# Altium PCB smallLCboard.PcbDoc (part 1 of 4) (continued)
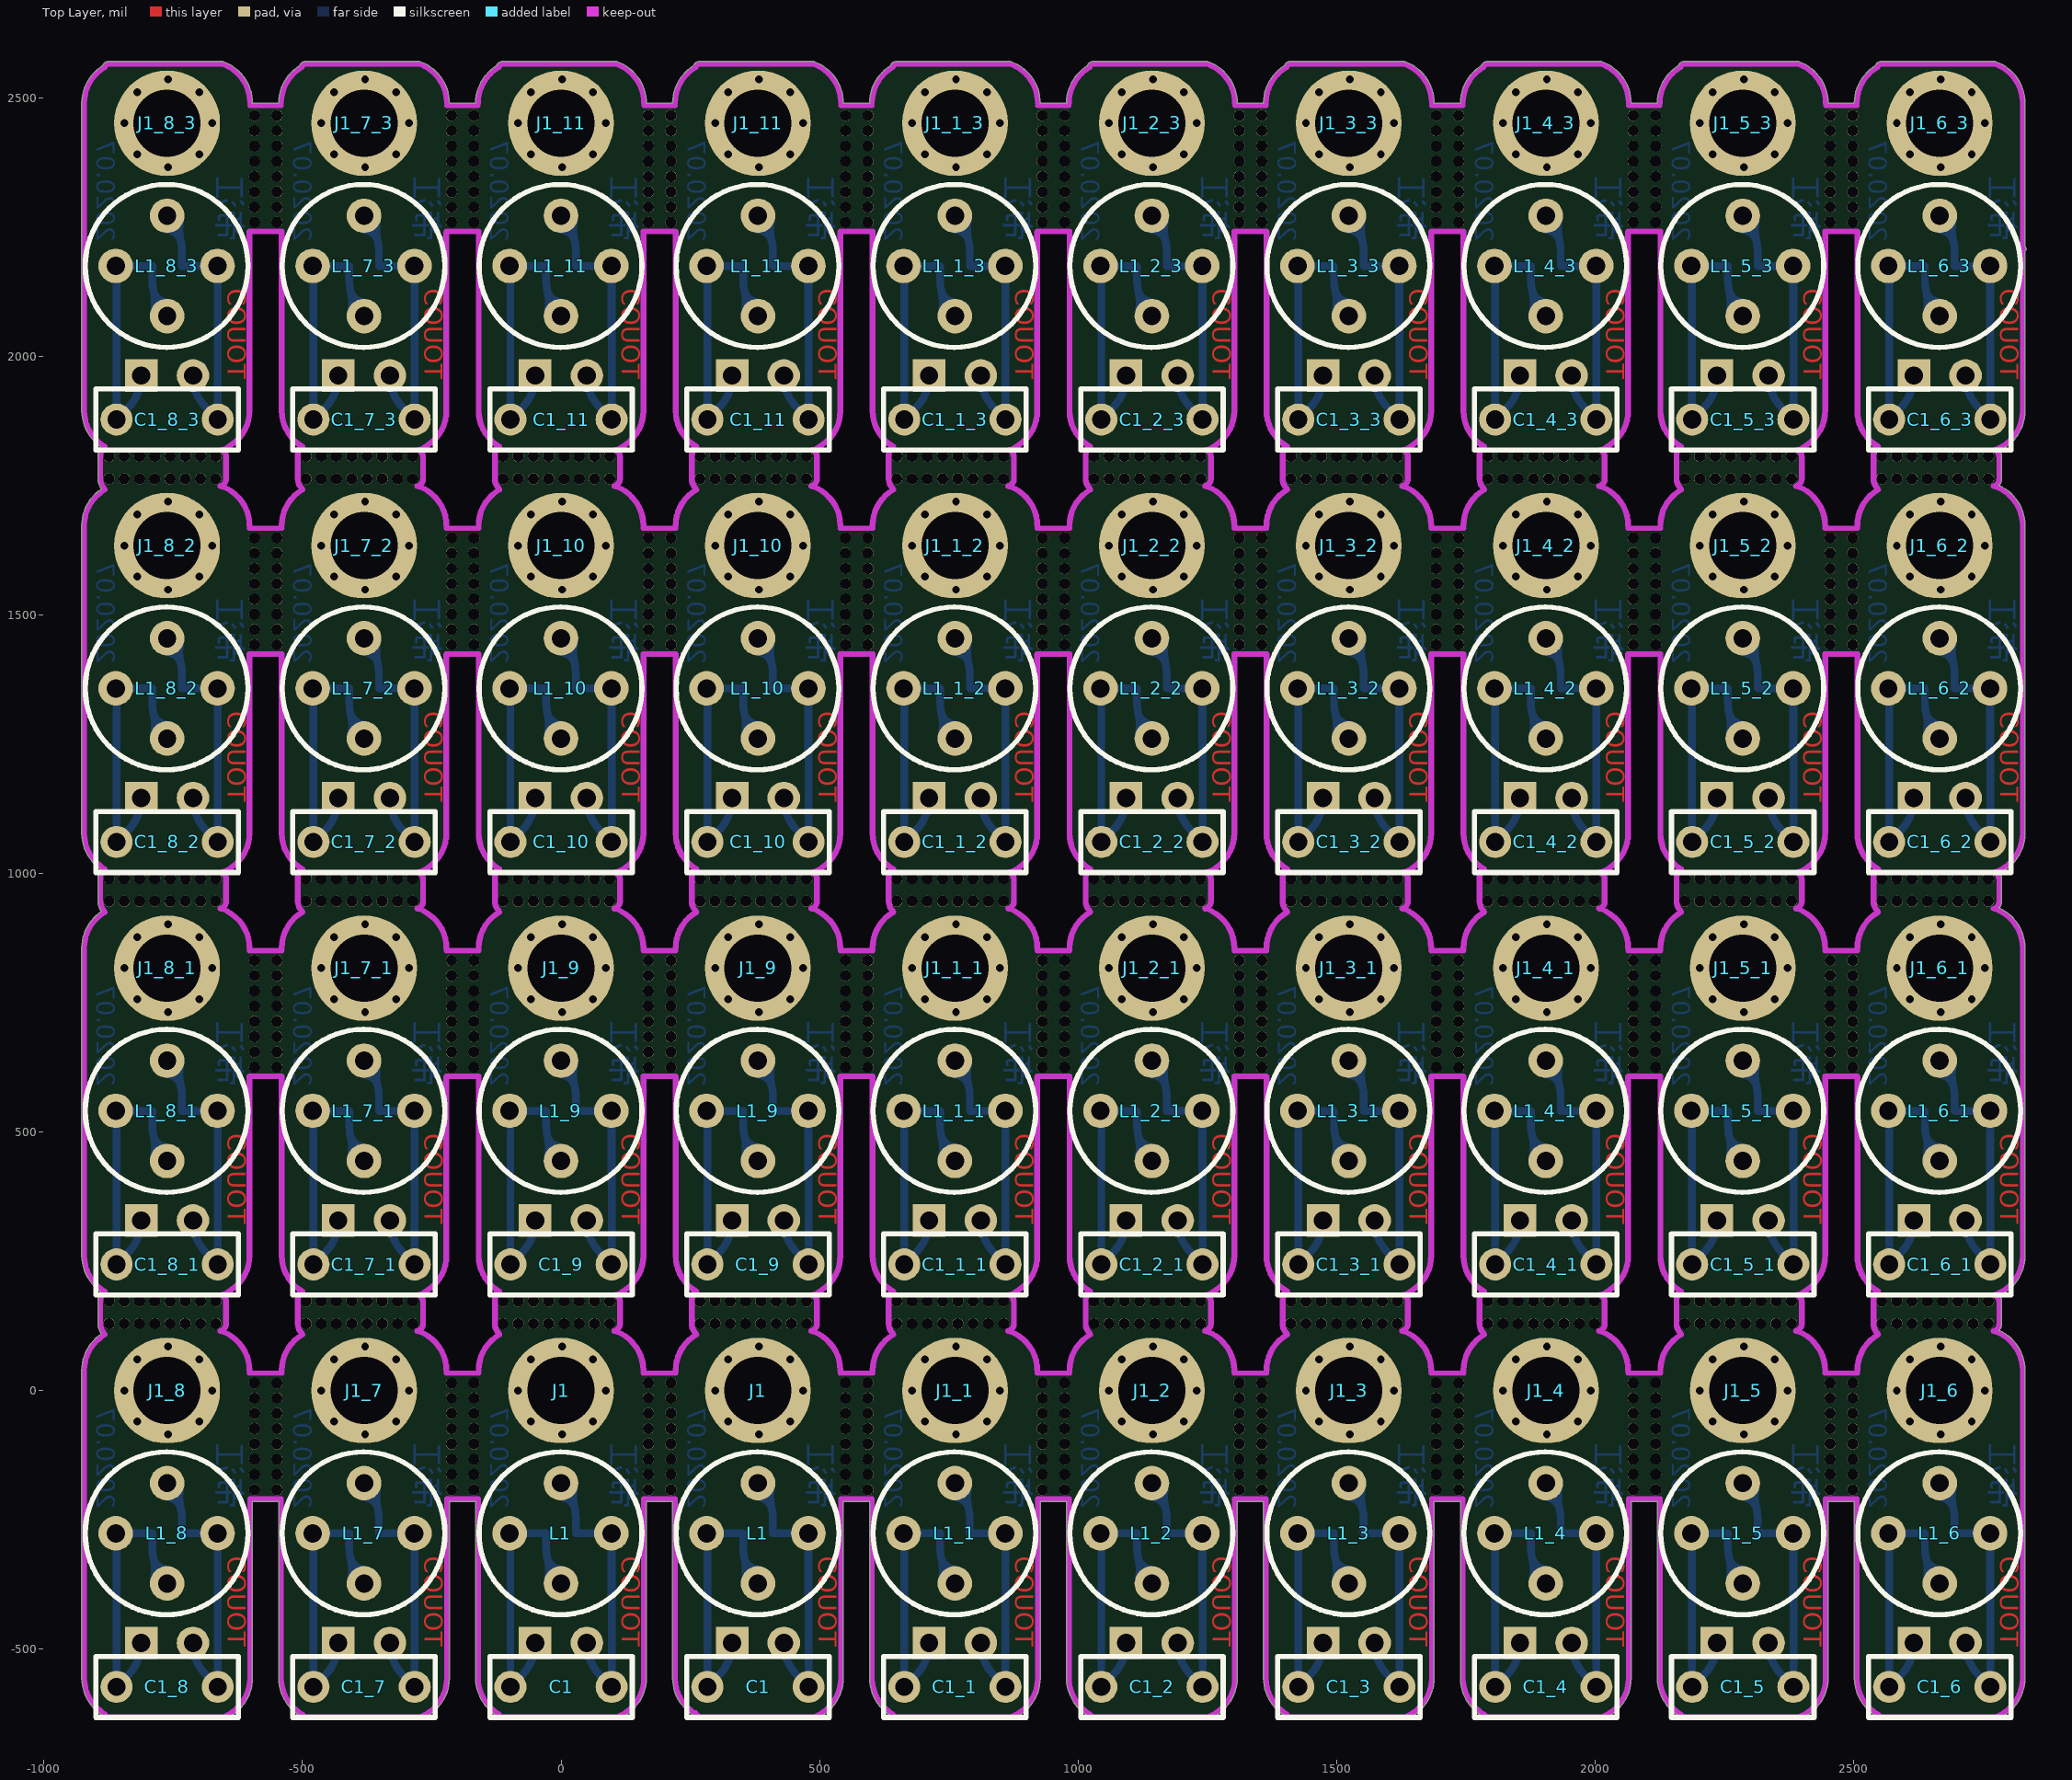
[diagram p0: Top Layer view]
## Board outline (continued)
cut-out: 1627.7,927.09 cw(c1627.7,932.1) 1627.7,937.11 ccw(c1627.7,938.38) 1628.58,937.47 cw(c1632.14,933.94) 1628.59,937.48 cw(c1632.14,933.94) 1628.61,937.5 1628.59,937.48 1631.48,940.37 ccw(c1626.14,945.7) 1631.49,940.38 ccw(c1626.14,945.7) 1633.69,945.7 1633.69,988.1 ccw(c1622.77,988.1) 1630.49,995.82 cw(c1634.03,999.37) 1629.13,998.34 cw(c1631.36,1002.82) 1629.65,1007.54 ccw(c1604,1078) 1678.98,1078 1678.98,1424.5 cw(c1684,1424.5) 1685.05,1429.4 cw(c1686.1,1424.5) 1686.1,1429.52 1743.9,1429.52 cw(c1743.9,1424.5) 1744.45,1429.48 cw(c1745,1424.5) 1750.02,1424.5 1750.02,1078 ccw(c1825,1078) 1787.51,1013.06 cw(c1785,1008.72) 1790.02,1008.72 cw(c1785,1008.72) 1785.12,1003.7 ccw(c1798.15,993.05) 1781.31,993.05 1781.31,945.68 ccw(c1800.88,945.68) 1787.05,931.85 cw(c1783.5,928.3) 1788.48,928.89 cw(c1785,925.28) 1790.02,925.28 cw(c1785,925.28) 1787.51,920.94 ccw(c1825,856) 1750.02,856 cw(c1745,856) 1749.16,853.2 cw(c1744.7,850.9) 1749.72,850.9 cw(c1744.7,850.9) 1744.7,845.89 1684.3,845.89 cw(c1684.3,850.9) 1679.84,853.2 cw(c1684,856) 1678.98,856 ccw(c1604,856) 1629.65,926.46 cw(c1631.36,931.18) 1628.43,927.11 cw(c1627.7,938.38)
cut-out: 1246.7,927.09 cw(c1246.7,932.1) 1246.7,937.11 ccw(c1246.7,938.38) 1247.58,937.47 cw(c1251.14,933.94) 1247.59,937.48 cw(c1251.14,933.94) 1247.61,937.5 1247.59,937.48 1250.48,940.37 ccw(c1245.14,945.7) 1250.49,940.38 ccw(c1245.14,945.7) 1252.69,945.7 1252.69,988.1 ccw(c1241.77,988.1) 1249.49,995.82 cw(c1253.03,999.37) 1248.13,998.34 cw(c1250.36,1002.82) 1248.65,1007.54 ccw(c1223,1078) 1297.98,1078 1297.98,1424.5 cw(c1303,1424.5) 1304.05,1429.4 cw(c1305.1,1424.5) 1305.1,1429.52 1362.9,1429.52 cw(c1362.9,1424.5) 1363.45,1429.48 cw(c1364,1424.5) 1369.02,1424.5 1369.02,1078 ccw(c1444,1078) 1406.51,1013.06 cw(c1404,1008.72) 1409.02,1008.72 cw(c1404,1008.72) 1404.12,1003.7 ccw(c1417.15,993.05) 1400.31,993.05 1400.31,945.68 ccw(c1419.88,945.68) 1406.05,931.85 cw(c1402.5,928.3) 1407.48,928.89 cw(c1404,925.28) 1409.02,925.28 cw(c1404,925.28) 1406.51,920.94 ccw(c1444,856) 1369.02,856 cw(c1364,856) 1368.16,853.2 cw(c1363.7,850.9) 1368.72,850.9 cw(c1363.7,850.9) 1363.7,845.89 1303.3,845.89 cw(c1303.3,850.9) 1298.84,853.2 cw(c1303,856) 1297.98,856 ccw(c1223,856) 1248.65,926.46 cw(c1250.36,931.18) 1247.43,927.11 cw(c1246.7,938.38)
cut-out: 865.7,927.09 cw(c865.7,932.1) 865.7,937.11 ccw(c865.7,938.38) 866.58,937.47 cw(c870.14,933.94) 866.59,937.48 cw(c870.14,933.94) 866.61,937.5 866.59,937.48 869.48,940.37 ccw(c864.14,945.7) 869.49,940.38 ccw(c864.14,945.7) 871.69,945.7 871.69,988.1 ccw(c860.77,988.1) 868.49,995.82 cw(c872.03,999.37) 867.13,998.34 cw(c869.36,1002.82) 867.65,1007.54 ccw(c842,1078) 916.98,1078 916.98,1424.5 cw(c922,1424.5) 923.05,1429.4 cw(c924.1,1424.5) 924.1,1429.52 981.9,1429.52 cw(c981.9,1424.5) 982.45,1429.48 cw(c983,1424.5) 988.02,1424.5 988.02,1078 ccw(c1063,1078) 1025.51,1013.06 cw(c1023,1008.72) 1028.02,1008.72 cw(c1023,1008.72) 1023.12,1003.7 ccw(c1036.15,993.05) 1019.31,993.05 1019.31,945.68 ccw(c1038.88,945.68) 1025.05,931.85 cw(c1021.5,928.3) 1026.48,928.89 cw(c1023,925.28) 1028.02,925.28 cw(c1023,925.28) 1025.51,920.94 ccw(c1063,856) 988.02,856 cw(c983,856) 987.16,853.2 cw(c982.7,850.9) 987.72,850.9 cw(c982.7,850.9) 982.7,845.89 922.3,845.89 cw(c922.3,850.9) 917.84,853.2 cw(c922,856) 916.98,856 ccw(c842,856) 867.65,926.46 cw(c869.36,931.18) 866.43,927.11 cw(c865.7,938.38)
cut-out: 484.7,927.09 cw(c484.7,932.1) 484.7,937.11 ccw(c484.7,938.38) 485.58,937.47 cw(c489.14,933.94) 485.59,937.48 cw(c489.14,933.94) 485.61,937.5 485.59,937.48 488.48,940.37 ccw(c483.14,945.7) 488.49,940.38 ccw(c483.14,945.7) 490.69,945.7 490.69,988.1 ccw(c479.77,988.1) 487.49,995.82 cw(c491.03,999.37) 486.13,998.34 cw(c488.36,1002.82) 486.65,1007.54 ccw(c461,1078) 535.98,1078 535.98,1424.5 cw(c541,1424.5) 542.05,1429.4 cw(c543.1,1424.5) 543.1,1429.52 600.9,1429.52 cw(c600.9,1424.5) 601.45,1429.48 cw(c602,1424.5) 607.02,1424.5 607.02,1078 ccw(c682,1078) 644.51,1013.06 cw(c642,1008.72) 647.02,1008.72 cw(c642,1008.72) 642.12,1003.7 ccw(c655.15,993.05) 638.31,993.05 638.31,945.68 ccw(c657.88,945.68) 644.05,931.85 cw(c640.5,928.3) 645.48,928.89 cw(c642,925.28) 647.02,925.28 cw(c642,925.28) 644.51,920.94 ccw(c682,856) 607.02,856 cw(c602,856) 606.16,853.2 cw(c601.7,850.9) 606.72,850.9 cw(c601.7,850.9) 601.7,845.89 541.3,845.89 cw(c541.3,850.9) 536.84,853.2 cw(c541,856) 535.98,856 ccw(c461,856) 486.65,926.46 cw(c488.36,931.18) 485.43,927.11 cw(c484.7,938.38)
cut-out: 103.7,927.09 cw(c103.7,932.1) 103.7,937.11 ccw(c103.7,938.38) 104.58,937.47 cw(c108.14,933.94) 104.59,937.48 cw(c108.14,933.94) 104.61,937.5 104.59,937.48 107.48,940.37 ccw(c102.14,945.7) 107.49,940.38 ccw(c102.14,945.7) 109.69,945.7 109.69,988.1 ccw(c98.77,988.1) 106.49,995.82 cw(c110.03,999.37) 105.13,998.34 cw(c107.36,1002.82) 105.65,1007.54 ccw(c80,1078) 154.98,1078 154.98,1424.5 cw(c160,1424.5) 161.05,1429.4 cw(c162.1,1424.5) 162.1,1429.52 219.9,1429.52 cw(c219.9,1424.5) 220.45,1429.48 cw(c221,1424.5) 226.02,1424.5 226.02,1078 ccw(c301,1078) 263.51,1013.06 cw(c261,1008.72) 266.02,1008.72 cw(c261,1008.72) 261.12,1003.7 ccw(c274.15,993.05) 257.31,993.05 257.31,945.68 ccw(c276.88,945.68) 263.05,931.85 cw(c259.5,928.3) 264.48,928.89 cw(c261,925.28) 266.02,925.28 cw(c261,925.28) 263.51,920.94 ccw(c301,856) 226.02,856 cw(c221,856) 225.16,853.2 cw(c220.7,850.9) 225.72,850.9 cw(c220.7,850.9) 220.7,845.89 160.3,845.89 cw(c160.3,850.9) 155.84,853.2 cw(c160,856) 154.98,856 ccw(c80,856) 105.65,926.46 cw(c107.36,931.18) 104.43,927.11 cw(c103.7,938.38)
cut-out: -277.3,927.09 cw(c-277.3,932.1) -277.3,937.11 ccw(c-277.3,938.38) -276.42,937.47 cw(c-272.86,933.94) -276.41,937.48 cw(c-272.86,933.94) -276.39,937.5 -276.41,937.48 -273.52,940.37 ccw(c-278.86,945.7) -273.51,940.38 ccw(c-278.86,945.7) -271.32,945.7 -271.32,988.1 ccw(c-282.23,988.1) -274.51,995.82 cw(c-270.97,999.37) -275.87,998.34 cw(c-273.64,1002.82) -275.35,1007.54 ccw(c-301,1078) -226.01,1078 -226.01,1424.5 cw(c-221,1424.5) -219.95,1429.4 cw(c-218.9,1424.5) -218.9,1429.52 -161.1,1429.52 cw(c-161.1,1424.5) -160.55,1429.48 cw(c-160,1424.5) -154.99,1424.5 -154.99,1078 ccw(c-80,1078) -117.49,1013.06 cw(c-120,1008.72) -114.99,1008.72 cw(c-120,1008.72) -119.88,1003.7 ccw(c-106.85,993.05) -123.68,993.05 -123.68,945.68 ccw(c-104.12,945.68) -117.95,931.85 cw(c-121.5,928.3) -116.52,928.89 cw(c-120,925.28) -114.99,925.28 cw(c-120,925.28) -117.49,920.94 ccw(c-80,856) -154.99,856 cw(c-160,856) -155.84,853.2 cw(c-160.3,850.9) -155.28,850.9 cw(c-160.3,850.9) -160.3,845.89 -220.7,845.89 cw(c-220.7,850.9) -225.16,853.2 cw(c-221,856) -226.01,856 ccw(c-301,856) -275.35,926.46 cw(c-273.64,931.18) -276.57,927.11 cw(c-277.3,938.38)
cut-out: -658.3,927.09 cw(c-658.3,932.1) -658.3,937.11 ccw(c-658.3,938.38) -657.42,937.47 ccw(c-658.3,938.38) -657.41,937.48 cw(c-653.86,933.94) -657.39,937.5 -657.41,937.48 -654.52,940.37 ccw(c-659.86,945.7) -654.51,940.38 ccw(c-659.86,945.7) -652.32,945.7 -652.32,988.1 ccw(c-663.23,988.1) -655.51,995.82 cw(c-651.97,999.37) -656.87,998.34 cw(c-654.64,1002.82) -656.35,1007.54 ccw(c-682,1078) -607.01,1078 -607.01,1424.5 cw(c-602,1424.5) -600.95,1429.4 cw(c-599.9,1424.5) -599.9,1429.52 -542.1,1429.52 cw(c-542.1,1424.5) -541.55,1429.48 cw(c-541,1424.5) -535.99,1424.5 -535.99,1078 ccw(c-461,1078) -498.49,1013.06 cw(c-501,1008.72) -495.99,1008.72 cw(c-501,1008.72) -500.88,1003.7 ccw(c-487.85,993.05) -504.68,993.05 -504.68,945.68 ccw(c-485.12,945.68) -498.95,931.85 cw(c-502.5,928.3) -497.52,928.89 cw(c-501,925.28) -495.99,925.28 cw(c-501,925.28) -498.49,920.94 ccw(c-461,856) -535.99,856 cw(c-541,856) -536.84,853.2 cw(c-541.3,850.9) -536.28,850.9 cw(c-541.3,850.9) -541.3,845.89 -601.7,845.89 cw(c-601.7,850.9) -606.16,853.2 cw(c-602,856) -607.01,856 ccw(c-682,856) -656.35,926.46 cw(c-654.64,931.18) -657.57,927.11 cw(c-658.3,938.38)
cut-out: 2389.7,1744.09 cw(c2389.7,1749.1) 2389.7,1754.11 ccw(c2389.7,1755.38) 2390.58,1754.47 cw(c2394.14,1750.94) 2390.59,1754.48 cw(c2394.14,1750.94) 2390.61,1754.5 2390.59,1754.48 2393.48,1757.37 ccw(c2388.14,1762.7) 2393.49,1757.38 ccw(c2388.14,1762.7) 2395.69,1762.7 2395.69,1805.1 ccw(c2384.77,1805.1) 2392.49,1812.82 cw(c2396.03,1816.37) 2391.13,1815.34 cw(c2393.36,1819.82) 2391.65,1824.54 ccw(c2366,1895) 2440.98,1895 2440.98,2241.5 cw(c2446,2241.5) 2447.05,2246.4 cw(c2448.1,2241.5) 2448.1,2246.52 2505.9,2246.52 cw(c2505.9,2241.5) 2506.45,2246.48 cw(c2507,2241.5) 2512.02,2241.5 2512.02,1895 ccw(c2587,1895) 2549.51,1830.06 cw(c2547,1825.72) 2552.02,1825.72 cw(c2547,1825.72) 2547.12,1820.7 ccw(c2560.15,1810.05) 2543.31,1810.05 2543.31,1762.68 ccw(c2562.88,1762.68) 2549.05,1748.85 cw(c2545.5,1745.3) 2550.48,1745.89 cw(c2547,1742.28) 2552.02,1742.28 cw(c2547,1742.28) 2549.51,1737.94 ccw(c2587,1673) 2512.02,1673 cw(c2507,1673) 2511.16,1670.2 cw(c2506.7,1667.9) 2511.72,1667.9 cw(c2506.7,1667.9) 2506.7,1662.89 2446.3,1662.89 cw(c2446.3,1667.9) 2441.84,1670.2 cw(c2446,1673) 2440.98,1673 ccw(c2366,1673) 2391.65,1743.46 cw(c2393.36,1748.18) 2390.43,1744.11 cw(c2389.7,1755.38)
cut-out: 2008.7,1744.09 cw(c2008.7,1749.1) 2008.7,1754.11 ccw(c2008.7,1755.38) 2009.58,1754.47 ccw(c2008.7,1755.38) 2009.59,1754.48 cw(c2013.14,1750.94) 2009.61,1754.5 2009.59,1754.48 2012.48,1757.37 ccw(c2007.14,1762.7) 2012.49,1757.38 ccw(c2007.14,1762.7) 2014.69,1762.7 2014.69,1805.1 ccw(c2003.77,1805.1) 2011.49,1812.82 cw(c2015.03,1816.37) 2010.13,1815.34 cw(c2012.36,1819.82) 2010.65,1824.54 ccw(c1985,1895) 2059.98,1895 2059.98,2241.5 cw(c2065,2241.5) 2066.05,2246.4 cw(c2067.1,2241.5) 2067.1,2246.52 2124.9,2246.52 cw(c2124.9,2241.5) 2125.45,2246.48 cw(c2126,2241.5) 2131.02,2241.5 2131.02,1895 ccw(c2206,1895) 2168.51,1830.06 cw(c2166,1825.72) 2171.02,1825.72 cw(c2166,1825.72) 2166.12,1820.7 ccw(c2179.15,1810.05) 2162.31,1810.05 2162.31,1762.68 ccw(c2181.88,1762.68) 2168.05,1748.85 cw(c2164.5,1745.3) 2169.48,1745.89 cw(c2166,1742.28) 2171.02,1742.28 cw(c2166,1742.28) 2168.51,1737.94 ccw(c2206,1673) 2131.02,1673 cw(c2126,1673) 2130.16,1670.2 cw(c2125.7,1667.9) 2130.72,1667.9 cw(c2125.7,1667.9) 2125.7,1662.89 2065.3,1662.89 cw(c2065.3,1667.9) 2060.84,1670.2 cw(c2065,1673) 2059.98,1673 ccw(c1985,1673) 2010.65,1743.46 cw(c2012.36,1748.18) 2009.43,1744.11 cw(c2008.7,1755.38)
cut-out: 1627.7,1744.09 cw(c1627.7,1749.1) 1627.7,1754.11 ccw(c1627.7,1755.38) 1628.58,1754.47 cw(c1632.14,1750.94) 1628.59,1754.48 cw(c1632.14,1750.94) 1628.61,1754.5 1628.59,1754.48 1631.48,1757.37 ccw(c1626.14,1762.7) 1631.49,1757.38 ccw(c1626.14,1762.7) 1633.69,1762.7 1633.69,1805.1 ccw(c1622.77,1805.1) 1630.49,1812.82 cw(c1634.03,1816.37) 1629.13,1815.34 cw(c1631.36,1819.82) 1629.65,1824.54 ccw(c1604,1895) 1678.98,1895 1678.98,2241.5 cw(c1684,2241.5) 1685.05,2246.4 cw(c1686.1,2241.5) 1686.1,2246.52 1743.9,2246.52 cw(c1743.9,2241.5) 1744.45,2246.48 cw(c1745,2241.5) 1750.02,2241.5 1750.02,1895 ccw(c1825,1895) 1787.51,1830.06 cw(c1785,1825.72) 1790.02,1825.72 cw(c1785,1825.72) 1785.12,1820.7 ccw(c1798.15,1810.05) 1781.31,1810.05 1781.31,1762.68 ccw(c1800.88,1762.68) 1787.05,1748.85 cw(c1783.5,1745.3) 1788.48,1745.89 cw(c1785,1742.28) 1790.02,1742.28 cw(c1785,1742.28) 1787.51,1737.94 ccw(c1825,1673) 1750.02,1673 cw(c1745,1673) 1749.16,1670.2 cw(c1744.7,1667.9) 1749.72,1667.9 cw(c1744.7,1667.9) 1744.7,1662.89 1684.3,1662.89 cw(c1684.3,1667.9) 1679.84,1670.2 cw(c1684,1673) 1678.98,1673 ccw(c1604,1673) 1629.65,1743.46 cw(c1631.36,1748.18) 1628.43,1744.11 cw(c1627.7,1755.38)
cut-out: 1246.7,1744.09 cw(c1246.7,1749.1) 1246.7,1754.11 ccw(c1246.7,1755.38) 1247.58,1754.47 cw(c1251.14,1750.94) 1247.59,1754.48 cw(c1251.14,1750.94) 1247.61,1754.5 1247.59,1754.48 1250.48,1757.37 ccw(c1245.14,1762.7) 1250.49,1757.38 ccw(c1245.14,1762.7) 1252.69,1762.7 1252.69,1805.1 ccw(c1241.77,1805.1) 1249.49,1812.82 cw(c1253.03,1816.37) 1248.13,1815.34 cw(c1250.36,1819.82) 1248.65,1824.54 ccw(c1223,1895) 1297.98,1895 1297.98,2241.5 cw(c1303,2241.5) 1304.05,2246.4 cw(c1305.1,2241.5) 1305.1,2246.52 1362.9,2246.52 cw(c1362.9,2241.5) 1363.45,2246.48 cw(c1364,2241.5) 1369.02,2241.5 1369.02,1895 ccw(c1444,1895) 1406.51,1830.06 cw(c1404,1825.72) 1409.02,1825.72 cw(c1404,1825.72) 1404.12,1820.7 ccw(c1417.15,1810.05) 1400.31,1810.05 1400.31,1762.68 ccw(c1419.88,1762.68) 1406.05,1748.85 cw(c1402.5,1745.3) 1407.48,1745.89 cw(c1404,1742.28) 1409.02,1742.28 cw(c1404,1742.28) 1406.51,1737.94 ccw(c1444,1673) 1369.02,1673 cw(c1364,1673) 1368.16,1670.2 cw(c1363.7,1667.9) 1368.72,1667.9 cw(c1363.7,1667.9) 1363.7,1662.89 1303.3,1662.89 cw(c1303.3,1667.9) 1298.84,1670.2 cw(c1303,1673) 1297.98,1673 ccw(c1223,1673) 1248.65,1743.46 cw(c1250.36,1748.18) 1247.43,1744.11 cw(c1246.7,1755.38)
cut-out: 1303.3,1667.9
cut-out: 1303.3,1667.9
cut-out: 1303.3,1667.9
cut-out: 865.7,1744.09 cw(c865.7,1749.1) 865.7,1754.11 ccw(c865.7,1755.38) 866.58,1754.47 cw(c870.14,1750.94) 866.59,1754.48 cw(c870.14,1750.94) 866.61,1754.5 866.59,1754.48 869.48,1757.37 ccw(c864.14,1762.7) 869.49,1757.38 ccw(c864.14,1762.7) 871.69,1762.7 871.69,1805.1 ccw(c860.77,1805.1) 868.49,1812.82 cw(c872.03,1816.37) 867.13,1815.34 cw(c869.36,1819.82) 867.65,1824.54 ccw(c842,1895) 916.98,1895 916.98,2241.5 cw(c922,2241.5) 923.05,2246.4 cw(c924.1,2241.5) 924.1,2246.52 981.9,2246.52 cw(c981.9,2241.5) 982.45,2246.48 cw(c983,2241.5) 988.02,2241.5 988.02,1895 ccw(c1063,1895) 1025.51,1830.06 cw(c1023,1825.72) 1028.02,1825.72 cw(c1023,1825.72) 1023.12,1820.7 ccw(c1036.15,1810.05) 1019.31,1810.05 1019.31,1762.68 ccw(c1038.88,1762.68) 1025.05,1748.85 cw(c1021.5,1745.3) 1026.48,1745.89 cw(c1023,1742.28) 1028.02,1742.28 cw(c1023,1742.28) 1025.51,1737.94 ccw(c1063,1673) 988.02,1673 cw(c983,1673) 987.16,1670.2 cw(c982.7,1667.9) 987.72,1667.9 cw(c982.7,1667.9) 982.7,1662.89 922.3,1662.89 cw(c922.3,1667.9) 917.84,1670.2 cw(c922,1673) 916.98,1673 ccw(c842,1673) 867.65,1743.46 cw(c869.36,1748.18) 866.43,1744.11 cw(c865.7,1755.38)
cut-out: 484.7,1744.09 cw(c484.7,1749.1) 484.7,1754.11 ccw(c484.7,1755.38) 485.58,1754.47 ccw(c484.7,1755.38) 485.59,1754.48 cw(c489.14,1750.94) 485.61,1754.5 485.59,1754.48 488.48,1757.37 ccw(c483.14,1762.7) 488.49,1757.38 ccw(c483.14,1762.7) 490.69,1762.7 490.69,1805.1 ccw(c479.77,1805.1) 487.49,1812.82 cw(c491.03,1816.37) 486.13,1815.34 cw(c488.36,1819.82) 486.65,1824.54 ccw(c461,1895) 535.98,1895 535.98,2241.5 cw(c541,2241.5) 542.05,2246.4 cw(c543.1,2241.5) 543.1,2246.52 600.9,2246.52 cw(c600.9,2241.5) 601.45,2246.48 cw(c602,2241.5) 607.02,2241.5 607.02,1895 ccw(c682,1895) 644.51,1830.06 cw(c642,1825.72) 647.02,1825.72 cw(c642,1825.72) 642.12,1820.7 ccw(c655.15,1810.05) 638.31,1810.05 638.31,1762.68 ccw(c657.88,1762.68) 644.05,1748.85 cw(c640.5,1745.3) 645.48,1745.89 cw(c642,1742.28) 647.02,1742.28 cw(c642,1742.28) 644.51,1737.94 ccw(c682,1673) 607.02,1673 cw(c602,1673) 606.16,1670.2 cw(c601.7,1667.9) 606.72,1667.9 cw(c601.7,1667.9) 601.7,1662.89 541.3,1662.89 cw(c541.3,1667.9) 536.84,1670.2 cw(c541,1673) 535.98,1673 ccw(c461,1673) 486.65,1743.46 cw(c488.36,1748.18) 485.43,1744.11 cw(c484.7,1755.38)
cut-out: 103.7,1744.09 cw(c103.7,1749.1) 103.7,1754.11 ccw(c103.7,1755.38) 104.58,1754.47 cw(c108.14,1750.94) 104.59,1754.48 cw(c108.14,1750.94) 104.61,1754.5 104.59,1754.48 107.48,1757.37 ccw(c102.14,1762.7) 107.49,1757.38 ccw(c102.14,1762.7) 109.69,1762.7 109.69,1805.1 ccw(c98.77,1805.1) 106.49,1812.82 cw(c110.03,1816.37) 105.13,1815.34 cw(c107.36,1819.82) 105.65,1824.54 ccw(c80,1895) 154.98,1895 154.98,2241.5 cw(c160,2241.5) 161.05,2246.4 cw(c162.1,2241.5) 162.1,2246.52 219.9,2246.52 cw(c219.9,2241.5) 220.45,2246.48 cw(c221,2241.5) 226.02,2241.5 226.02,1895 ccw(c301,1895) 263.51,1830.06 cw(c261,1825.72) 266.02,1825.72 cw(c261,1825.72) 261.12,1820.7 ccw(c274.15,1810.05) 257.31,1810.05 257.31,1762.68 ccw(c276.88,1762.68) 263.05,1748.85 cw(c259.5,1745.3) 264.48,1745.89 cw(c261,1742.28) 266.02,1742.28 cw(c261,1742.28) 263.51,1737.94 ccw(c301,1673) 226.02,1673 cw(c221,1673) 225.16,1670.2 cw(c220.7,1667.9) 225.72,1667.9 cw(c220.7,1667.9) 220.7,1662.89 160.3,1662.89 cw(c160.3,1667.9) 155.84,1670.2 cw(c160,1673) 154.98,1673 ccw(c80,1673) 105.65,1743.46 cw(c107.36,1748.18) 104.43,1744.11 cw(c103.7,1755.38)
cut-out: -277.3,1744.09 cw(c-277.3,1749.1) -277.3,1754.11 ccw(c-277.3,1755.38) -276.42,1754.47 cw(c-272.86,1750.94) -276.41,1754.48 cw(c-272.86,1750.94) -276.39,1754.5 -276.41,1754.48 -273.52,1757.37 ccw(c-278.86,1762.7) -273.51,1757.38 ccw(c-278.86,1762.7) -271.32,1762.7 -271.32,1805.1 ccw(c-282.23,1805.1) -274.51,1812.82 cw(c-270.97,1816.37) -275.87,1815.34 cw(c-273.64,1819.82) -275.35,1824.54 ccw(c-301,1895) -226.01,1895 -226.01,2241.5 cw(c-221,2241.5) -219.95,2246.4 cw(c-218.9,2241.5) -218.9,2246.52 -161.1,2246.52 cw(c-161.1,2241.5) -160.55,2246.48 cw(c-160,2241.5) -154.99,2241.5 -154.99,1895 ccw(c-80,1895) -117.49,1830.06 cw(c-120,1825.72) -114.99,1825.72 cw(c-120,1825.72) -119.88,1820.7 ccw(c-106.85,1810.05) -123.68,1810.05 -123.68,1762.68 ccw(c-104.12,1762.68) -117.95,1748.85 cw(c-121.5,1745.3) -116.52,1745.89 cw(c-120,1742.28) -114.99,1742.28 cw(c-120,1742.28) -117.49,1737.94 ccw(c-80,1673) -154.99,1673 cw(c-160,1673) -155.84,1670.2 cw(c-160.3,1667.9) -155.28,1667.9 cw(c-160.3,1667.9) -160.3,1662.89 -220.7,1662.89 cw(c-220.7,1667.9) -225.16,1670.2 cw(c-221,1673) -226.01,1673 ccw(c-301,1673) -275.35,1743.46 cw(c-273.64,1748.18) -276.57,1744.11 cw(c-277.3,1755.38)
cut-out: -658.3,1744.09 cw(c-658.3,1749.1) -658.3,1754.11 ccw(c-658.3,1755.38) -657.42,1754.47 cw(c-653.86,1750.94) -657.41,1754.48 cw(c-653.86,1750.94) -657.39,1754.5 -657.41,1754.48 -654.52,1757.37 ccw(c-659.86,1762.7) -654.51,1757.38 ccw(c-659.86,1762.7) -652.32,1762.7 -652.32,1805.1 ccw(c-663.23,1805.1) -655.51,1812.82 cw(c-651.97,1816.37) -656.87,1815.34 cw(c-654.64,1819.82) -656.35,1824.54 ccw(c-682,1895) -607.01,1895 -607.01,2241.5 cw(c-602,2241.5) -600.95,2246.4 cw(c-599.9,2241.5) -599.9,2246.52 -542.1,2246.52 cw(c-542.1,2241.5) -541.55,2246.48 cw(c-541,2241.5) -535.99,2241.5 -535.99,1895 ccw(c-461,1895) -498.49,1830.06 cw(c-501,1825.72) -495.99,1825.72 cw(c-501,1825.72) -500.88,1820.7 ccw(c-487.85,1810.05) -504.68,1810.05 -504.68,1762.68 ccw(c-485.12,1762.68) -498.95,1748.85 cw(c-502.5,1745.3) -497.52,1745.89 cw(c-501,1742.28) -495.99,1742.28 cw(c-501,1742.28) -498.49,1737.94 ccw(c-461,1673) -535.99,1673 cw(c-541,1673) -536.84,1670.2 cw(c-541.3,1667.9) -536.28,1667.9 cw(c-541.3,1667.9) -541.3,1662.89 -601.7,1662.89 cw(c-601.7,1667.9) -606.16,1670.2 cw(c-602,1673) -607.01,1673 ccw(c-682,1673) -656.35,1743.46 cw(c-654.64,1748.18) -657.57,1744.11 cw(c-658.3,1755.38)

## Design rules (kind name [scope] priority, off if disabled: settings)
Clearance [All] p1: gap=10
PolygonConnect [All] p1: connectstyle=Relief reliefconductorwidth=10 reliefentries=4 polygonreliefangle="90 Angle" airgapwidth=10
RoutingVias [All] p1: holewidth=28 width=50 viastyle="Through Hole" minholewidth=28 minwidth=50 maxholewidth=28 maxwidth=50
SolderMaskExpansion [All] p1: expansion=4
Width [All] p1: maxlimit=100 minlimit=10 preferedwidth=15
30 further rules are at their usual default settings.

## Components (designator, comment, footprint, x,y, rotation, side; value= is the part's Value field where it differs from the comment)
C1 "6.8nF" CAP3 381,-573 r0 top
C1 "6.8nF" CAP3 0,-573 r0 top
C1_1 "6.8nF" CAP3 762,-573 r0 top (schematic designator C1)
C1_1_1 "6.8nF" CAP3 762,244 r0 top (schematic designator C1)
C1_1_2 "6.8nF" CAP3 762,1061 r0 top (schematic designator C1)
C1_1_3 "6.8nF" CAP3 762,1878 r0 top (schematic designator C1)
C1_2 "6.8nF" CAP3 1143,-573 r0 top (schematic designator C1)
C1_2_1 "6.8nF" CAP3 1143,244 r0 top (schematic designator C1)
C1_2_2 "6.8nF" CAP3 1143,1061 r0 top (schematic designator C1)
C1_2_3 "6.8nF" CAP3 1143,1878 r0 top (schematic designator C1)
C1_3 "6.8nF" CAP3 1524,-573 r0 top (schematic designator C1)
C1_3_1 "6.8nF" CAP3 1524,244 r0 top (schematic designator C1)
C1_3_2 "6.8nF" CAP3 1524,1061 r0 top (schematic designator C1)
C1_3_3 "6.8nF" CAP3 1524,1878 r0 top (schematic designator C1)
C1_4 "6.8nF" CAP3 1905,-573 r0 top (schematic designator C1)
C1_4_1 "6.8nF" CAP3 1905,244 r0 top (schematic designator C1)
C1_4_2 "6.8nF" CAP3 1905,1061 r0 top (schematic designator C1)
C1_4_3 "6.8nF" CAP3 1905,1878 r0 top (schematic designator C1)
C1_5 "6.8nF" CAP3 2286,-573 r0 top (schematic designator C1)
C1_5_1 "6.8nF" CAP3 2286,244 r0 top (schematic designator C1)
C1_5_2 "6.8nF" CAP3 2286,1061 r0 top (schematic designator C1)
C1_5_3 "6.8nF" CAP3 2286,1878 r0 top (schematic designator C1)
C1_6 "6.8nF" CAP3 2667,-573 r0 top (schematic designator C1)
C1_6_1 "6.8nF" CAP3 2667,244 r0 top (schematic designator C1)
C1_6_2 "6.8nF" CAP3 2667,1061 r0 top (schematic designator C1)
C1_6_3 "6.8nF" CAP3 2667,1878 r0 top (schematic designator C1)
C1_7 "6.8nF" CAP3 -381,-573 r0 top (schematic designator C1)
C1_7_1 "6.8nF" CAP3 -381,244 r0 top (schematic designator C1)
C1_7_2 "6.8nF" CAP3 -381,1061 r0 top (schematic designator C1)
C1_7_3 "6.8nF" CAP3 -381,1878 r0 top (schematic designator C1)
C1_8 "6.8nF" CAP3 -762,-573 r0 top (schematic designator C1)
C1_8_1 "6.8nF" CAP3 -762,244 r0 top (schematic designator C1)
C1_8_2 "6.8nF" CAP3 -762,1061 r0 top (schematic designator C1)
C1_8_3 "6.8nF" CAP3 -762,1878 r0 top (schematic designator C1)
C1_9 "6.8nF" CAP3 0,244 r0 top (schematic designator C1)
C1_9 "6.8nF" CAP3 381,244 r0 top (schematic designator C1)
C1_10 "6.8nF" CAP3 0,1061 r0 top (schematic designator C1)
C1_10 "6.8nF" CAP3 381,1061 r0 top (schematic designator C1)
C1_11 "6.8nF" CAP3 0,1878 r0 top (schematic designator C1)
C1_11 "6.8nF" CAP3 381,1878 r0 top (schematic designator C1)
C2 "6.8nF" CAP_0603 381,-276 r0 bottom
C2 "6.8nF" CAP_0603 0,-276 r0 bottom
C2_1 "6.8nF" CAP_0603 762,-276 r0 bottom (schematic designator C2)
C2_1_1 "6.8nF" CAP_0603 762,541 r0 bottom (schematic designator C2)
C2_1_2 "6.8nF" CAP_0603 762,1358 r0 bottom (schematic designator C2)
C2_1_3 "6.8nF" CAP_0603 762,2175 r0 bottom (schematic designator C2)
C2_2 "6.8nF" CAP_0603 1143,-276 r0 bottom (schematic designator C2)
C2_2_1 "6.8nF" CAP_0603 1143,541 r0 bottom (schematic designator C2)
C2_2_2 "6.8nF" CAP_0603 1143,1358 r0 bottom (schematic designator C2)
C2_2_3 "6.8nF" CAP_0603 1143,2175 r0 bottom (schematic designator C2)
C2_3 "6.8nF" CAP_0603 1524,-276 r0 bottom (schematic designator C2)
C2_3_1 "6.8nF" CAP_0603 1524,541 r0 bottom (schematic designator C2)
C2_3_2 "6.8nF" CAP_0603 1524,1358 r0 bottom (schematic designator C2)
C2_3_3 "6.8nF" CAP_0603 1524,2175 r0 bottom (schematic designator C2)
C2_4 "6.8nF" CAP_0603 1905,-276 r0 bottom (schematic designator C2)
C2_4_1 "6.8nF" CAP_0603 1905,541 r0 bottom (schematic designator C2)
C2_4_2 "6.8nF" CAP_0603 1905,1358 r0 bottom (schematic designator C2)
C2_4_3 "6.8nF" CAP_0603 1905,2175 r0 bottom (schematic designator C2)
C2_5 "6.8nF" CAP_0603 2286,-276 r0 bottom (schematic designator C2)
C2_5_1 "6.8nF" CAP_0603 2286,541 r0 bottom (schematic designator C2)
C2_5_2 "6.8nF" CAP_0603 2286,1358 r0 bottom (schematic designator C2)
C2_5_3 "6.8nF" CAP_0603 2286,2175 r0 bottom (schematic designator C2)
C2_6 "6.8nF" CAP_0603 2667,-276 r0 bottom (schematic designator C2)
C2_6_1 "6.8nF" CAP_0603 2667,541 r0 bottom (schematic designator C2)
C2_6_2 "6.8nF" CAP_0603 2667,1358 r0 bottom (schematic designator C2)
C2_6_3 "6.8nF" CAP_0603 2667,2175 r0 bottom (schematic designator C2)
C2_7 "6.8nF" CAP_0603 -381,-276 r0 bottom (schematic designator C2)
C2_7_1 "6.8nF" CAP_0603 -381,541 r0 bottom (schematic designator C2)
C2_7_2 "6.8nF" CAP_0603 -381,1358 r0 bottom (schematic designator C2)
C2_7_3 "6.8nF" CAP_0603 -381,2175 r0 bottom (schematic designator C2)
C2_8 "6.8nF" CAP_0603 -762,-276 r0 bottom (schematic designator C2)
C2_8_1 "6.8nF" CAP_0603 -762,541 r0 bottom (schematic designator C2)
C2_8_2 "6.8nF" CAP_0603 -762,1358 r0 bottom (schematic designator C2)
C2_8_3 "6.8nF" CAP_0603 -762,2175 r0 bottom (schematic designator C2)
C2_9 "6.8nF" CAP_0603 0,541 r0 bottom (schematic designator C2)
C2_9 "6.8nF" CAP_0603 381,541 r0 bottom (schematic designator C2)
C2_10 "6.8nF" CAP_0603 0,1358 r0 bottom (schematic designator C2)
C2_10 "6.8nF" CAP_0603 381,1358 r0 bottom (schematic designator C2)
C2_11 "6.8nF" CAP_0603 0,2175 r0 bottom (schematic designator C2)
C2_11 "6.8nF" CAP_0603 381,2175 r0 bottom (schematic designator C2)
J1 "JET" M_KONG_springChange 383,0 r0 top
J1 "JET" M_KONG_springChange 2,0 r0 top
J1_1 "JET" M_KONG_springChange 764,0 r0 top (schematic designator J1)
J1_1_1 "JET" M_KONG_springChange 764,817 r0 top (schematic designator J1)
J1_1_2 "JET" M_KONG_springChange 764,1634 r0 top (schematic designator J1)
J1_1_3 "JET" M_KONG_springChange 764,2451 r0 top (schematic designator J1)
J1_2 "JET" M_KONG_springChange 1145,0 r0 top (schematic designator J1)
J1_2_1 "JET" M_KONG_springChange 1145,817 r0 top (schematic designator J1)
J1_2_2 "JET" M_KONG_springChange 1145,1634 r0 top (schematic designator J1)
J1_2_3 "JET" M_KONG_springChange 1145,2451 r0 top (schematic designator J1)
J1_3 "JET" M_KONG_springChange 1526,0 r0 top (schematic designator J1)
J1_3_1 "JET" M_KONG_springChange 1526,817 r0 top (schematic designator J1)
J1_3_2 "JET" M_KONG_springChange 1526,1634 r0 top (schematic designator J1)
J1_3_3 "JET" M_KONG_springChange 1526,2451 r0 top (schematic designator J1)
J1_4 "JET" M_KONG_springChange 1907,0 r0 top (schematic designator J1)
J1_4_1 "JET" M_KONG_springChange 1907,817 r0 top (schematic designator J1)
J1_4_2 "JET" M_KONG_springChange 1907,1634 r0 top (schematic designator J1)
J1_4_3 "JET" M_KONG_springChange 1907,2451 r0 top (schematic designator J1)
J1_5 "JET" M_KONG_springChange 2288,0 r0 top (schematic designator J1)
J1_5_1 "JET" M_KONG_springChange 2288,817 r0 top (schematic designator J1)
J1_5_2 "JET" M_KONG_springChange 2288,1634 r0 top (schematic designator J1)
J1_5_3 "JET" M_KONG_springChange 2288,2451 r0 top (schematic designator J1)
J1_6 "JET" M_KONG_springChange 2669,0 r0 top (schematic designator J1)
J1_6_1 "JET" M_KONG_springChange 2669,817 r0 top (schematic designator J1)
J1_6_2 "JET" M_KONG_springChange 2669,1634 r0 top (schematic designator J1)
J1_6_3 "JET" M_KONG_springChange 2669,2451 r0 top (schematic designator J1)
J1_7 "JET" M_KONG_springChange -379,0 r0 top (schematic designator J1)
J1_7_1 "JET" M_KONG_springChange -379,817 r0 top (schematic designator J1)
J1_7_2 "JET" M_KONG_springChange -379,1634 r0 top (schematic designator J1)
J1_7_3 "JET" M_KONG_springChange -379,2451 r0 top (schematic designator J1)
J1_8 "JET" M_KONG_springChange -760,0 r0 top (schematic designator J1)
J1_8_1 "JET" M_KONG_springChange -760,817 r0 top (schematic designator J1)
J1_8_2 "JET" M_KONG_springChange -760,1634 r0 top (schematic designator J1)
J1_8_3 "JET" M_KONG_springChange -760,2451 r0 top (schematic designator J1)
J1_9 "JET" M_KONG_springChange 2,817 r0 top (schematic designator J1)
J1_9 "JET" M_KONG_springChange 383,817 r0 top (schematic designator J1)
J1_10 "JET" M_KONG_springChange 2,1634 r0 top (schematic designator J1)
J1_10 "JET" M_KONG_springChange 383,1634 r0 top (schematic designator J1)
J1_11 "JET" M_KONG_springChange 2,2451 r0 top (schematic designator J1)
J1_11 "JET" M_KONG_springChange 383,2451 r0 top (schematic designator J1)
J2 "Header" "Header H 2.54X2" 381,-488 r0 bottom
J2 "Header" "Header H 2.54X2" 0,-488 r0 bottom
J2_1 "Header" "Header H 2.54X2" 762,-488 r0 bottom (schematic designator J2)
J2_1_1 "Header" "Header H 2.54X2" 762,329 r0 bottom (schematic designator J2)
J2_1_2 "Header" "Header H 2.54X2" 762,1146 r0 bottom (schematic designator J2)
J2_1_3 "Header" "Header H 2.54X2" 762,1963 r0 bottom (schematic designator J2)
J2_2 "Header" "Header H 2.54X2" 1143,-488 r0 bottom (schematic designator J2)
J2_2_1 "Header" "Header H 2.54X2" 1143,329 r0 bottom (schematic designator J2)
J2_2_2 "Header" "Header H 2.54X2" 1143,1146 r0 bottom (schematic designator J2)
J2_2_3 "Header" "Header H 2.54X2" 1143,1963 r0 bottom (schematic designator J2)
J2_3 "Header" "Header H 2.54X2" 1524,-488 r0 bottom (schematic designator J2)
J2_3_1 "Header" "Header H 2.54X2" 1524,329 r0 bottom (schematic designator J2)
J2_3_2 "Header" "Header H 2.54X2" 1524,1146 r0 bottom (schematic designator J2)
J2_3_3 "Header" "Header H 2.54X2" 1524,1963 r0 bottom (schematic designator J2)
J2_4 "Header" "Header H 2.54X2" 1905,-488 r0 bottom (schematic designator J2)
J2_4_1 "Header" "Header H 2.54X2" 1905,329 r0 bottom (schematic designator J2)
J2_4_2 "Header" "Header H 2.54X2" 1905,1146 r0 bottom (schematic designator J2)
J2_4_3 "Header" "Header H 2.54X2" 1905,1963 r0 bottom (schematic designator J2)
J2_5 "Header" "Header H 2.54X2" 2286,-488 r0 bottom (schematic designator J2)
J2_5_1 "Header" "Header H 2.54X2" 2286,329 r0 bottom (schematic designator J2)
J2_5_2 "Header" "Header H 2.54X2" 2286,1146 r0 bottom (schematic designator J2)
J2_5_3 "Header" "Header H 2.54X2" 2286,1963 r0 bottom (schematic designator J2)
J2_6 "Header" "Header H 2.54X2" 2667,-488 r0 bottom (schematic designator J2)
J2_6_1 "Header" "Header H 2.54X2" 2667,329 r0 bottom (schematic designator J2)
J2_6_2 "Header" "Header H 2.54X2" 2667,1146 r0 bottom (schematic designator J2)
J2_6_3 "Header" "Header H 2.54X2" 2667,1963 r0 bottom (schematic designator J2)
J2_7 "Header" "Header H 2.54X2" -381,-488 r0 bottom (schematic designator J2)
J2_7_1 "Header" "Header H 2.54X2" -381,329 r0 bottom (schematic designator J2)
J2_7_2 "Header" "Header H 2.54X2" -381,1146 r0 bottom (schematic designator J2)
J2_7_3 "Header" "Header H 2.54X2" -381,1963 r0 bottom (schematic designator J2)
J2_8 "Header" "Header H 2.54X2" -762,-488 r0 bottom (schematic designator J2)
J2_8_1 "Header" "Header H 2.54X2" -762,329 r0 bottom (schematic designator J2)
J2_8_2 "Header" "Header H 2.54X2" -762,1146 r0 bottom (schematic designator J2)
J2_8_3 "Header" "Header H 2.54X2" -762,1963 r0 bottom (schematic designator J2)
J2_9 "Header" "Header H 2.54X2" 0,329 r0 bottom (schematic designator J2)
J2_9 "Header" "Header H 2.54X2" 381,329 r0 bottom (schematic designator J2)
J2_10 "Header" "Header H 2.54X2" 0,1146 r0 bottom (schematic designator J2)
J2_10 "Header" "Header H 2.54X2" 381,1146 r0 bottom (schematic designator J2)
J2_11 "Header" "Header H 2.54X2" 0,1963 r0 bottom (schematic designator J2)
J2_11 "Header" "Header H 2.54X2" 381,1963 r0 bottom (schematic designator J2)
L1 "10mH" Inductor_8x10 380,-276 r0 top
L1 "10mH" Inductor_8x10 -1,-276 r0 top
L1_1 "10mH" Inductor_8x10 761,-276 r0 top (schematic designator L1)
L1_1_1 "10mH" Inductor_8x10 761,541 r0 top (schematic designator L1)
L1_1_2 "10mH" Inductor_8x10 761,1358 r0 top (schematic designator L1)
L1_1_3 "10mH" Inductor_8x10 761,2175 r0 top (schematic designator L1)
L1_2 "10mH" Inductor_8x10 1142,-276 r0 top (schematic designator L1)
L1_2_1 "10mH" Inductor_8x10 1142,541 r0 top (schematic designator L1)
L1_2_2 "10mH" Inductor_8x10 1142,1358 r0 top (schematic designator L1)
L1_2_3 "10mH" Inductor_8x10 1142,2175 r0 top (schematic designator L1)
L1_3 "10mH" Inductor_8x10 1523,-276 r0 top (schematic designator L1)
L1_3_1 "10mH" Inductor_8x10 1523,541 r0 top (schematic designator L1)
L1_3_2 "10mH" Inductor_8x10 1523,1358 r0 top (schematic designator L1)
L1_3_3 "10mH" Inductor_8x10 1523,2175 r0 top (schematic designator L1)
L1_4 "10mH" Inductor_8x10 1904,-276 r0 top (schematic designator L1)
L1_4_1 "10mH" Inductor_8x10 1904,541 r0 top (schematic designator L1)
L1_4_2 "10mH" Inductor_8x10 1904,1358 r0 top (schematic designator L1)
L1_4_3 "10mH" Inductor_8x10 1904,2175 r0 top (schematic designator L1)
L1_5 "10mH" Inductor_8x10 2285,-276 r0 top (schematic designator L1)
L1_5_1 "10mH" Inductor_8x10 2285,541 r0 top (schematic designator L1)